# Altium PCB 大风车第三版.PcbDoc (part 1 of 2)
Units mm, origin at the board's own origin, x right, y up, seen from the top; angles counter-clockwise.
Board outline 97.08 x 92.33 mm, 4 copper layers (Top Layer, Second Layer, Third Layer, Bottom Layer 1), stack 0.603 mm thick; 147 components, 109 nets, 497 pads, 844 vias.
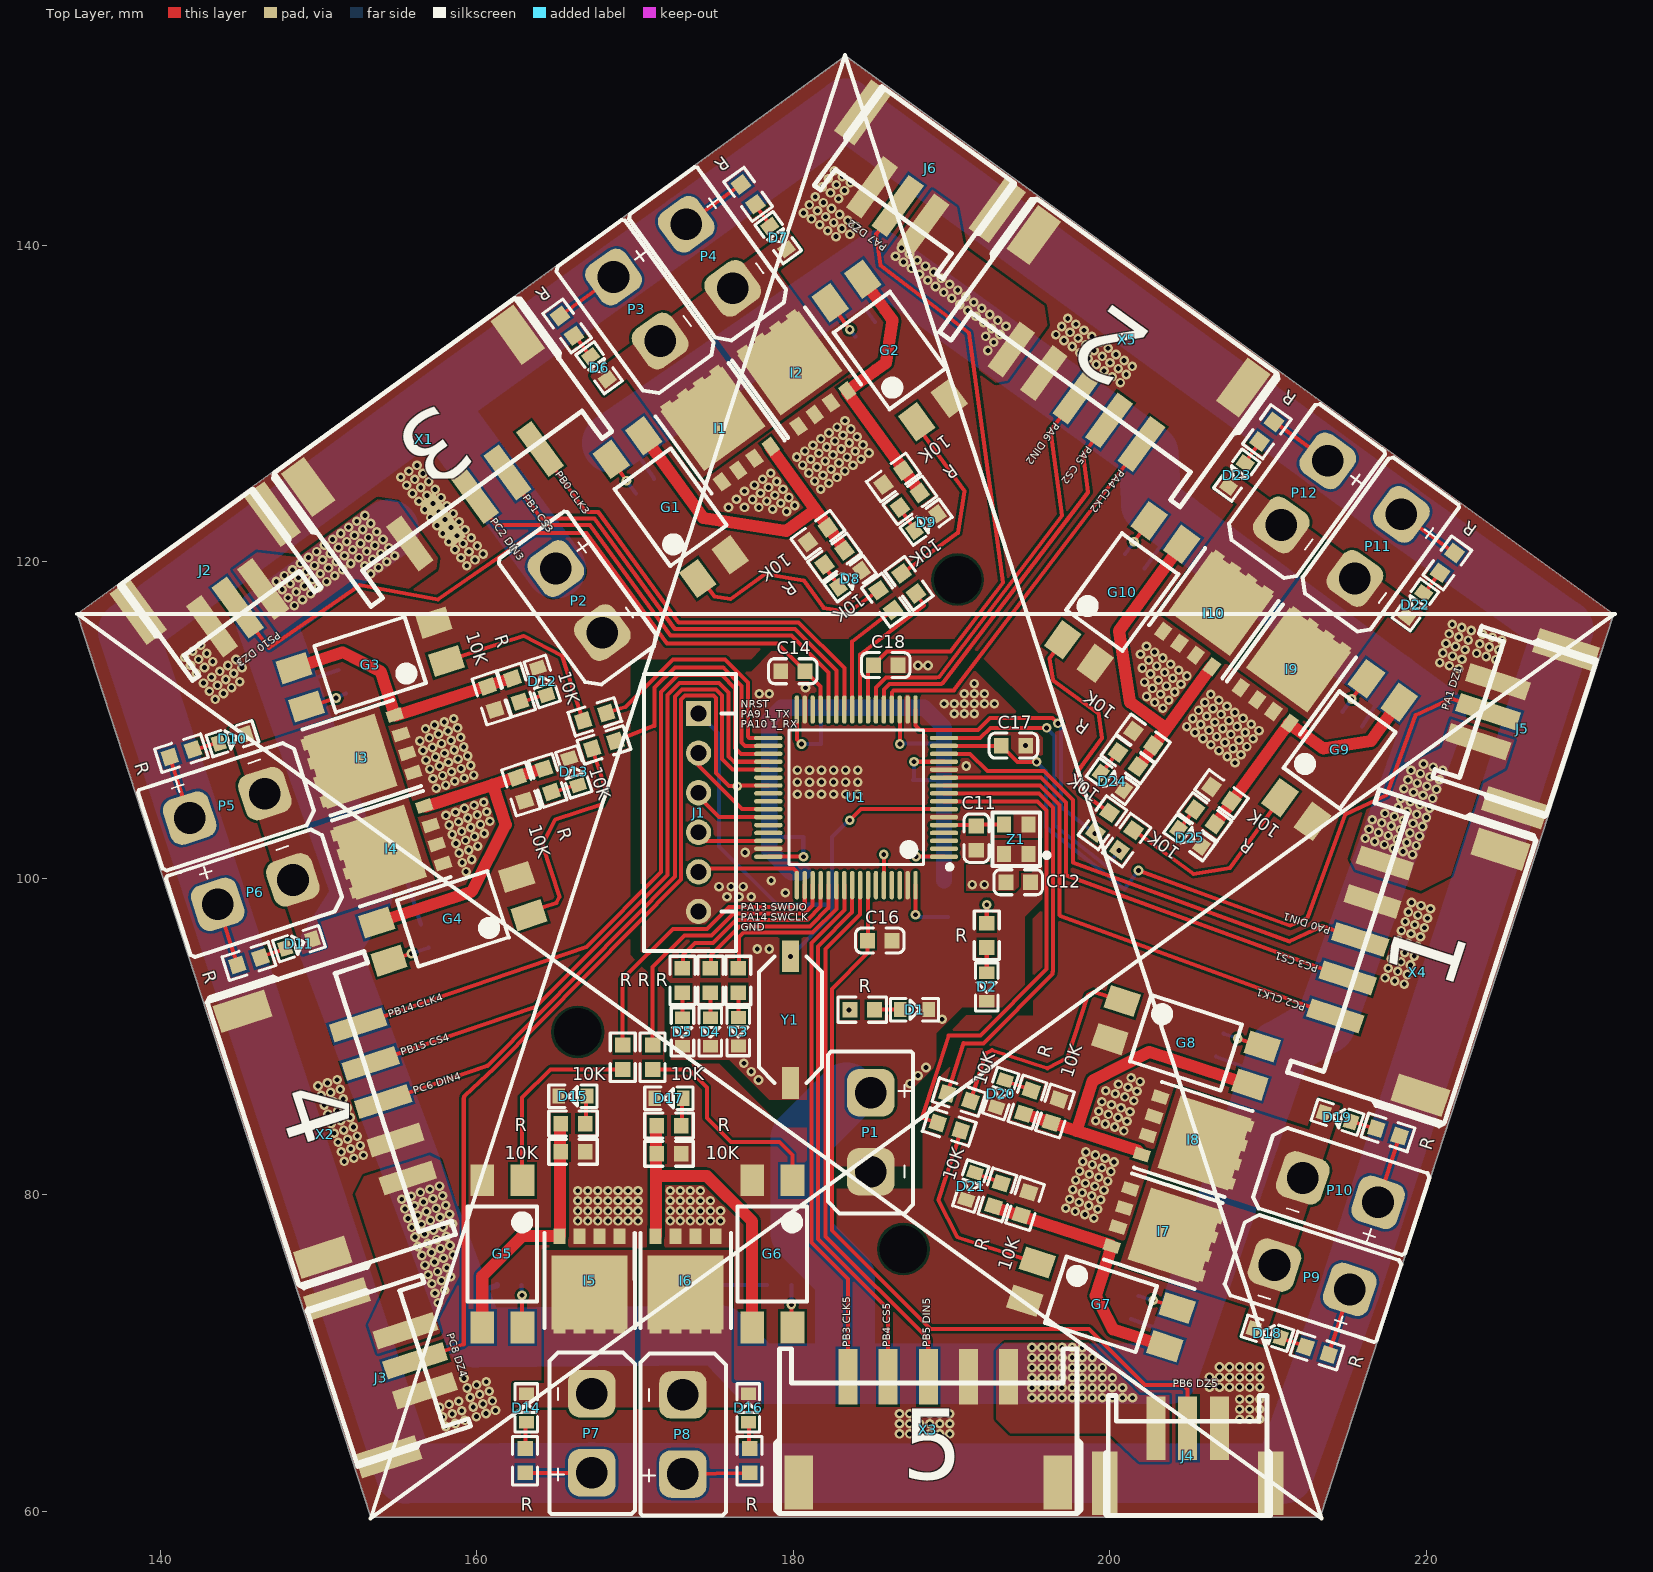
[diagram p0: Top Layer view]
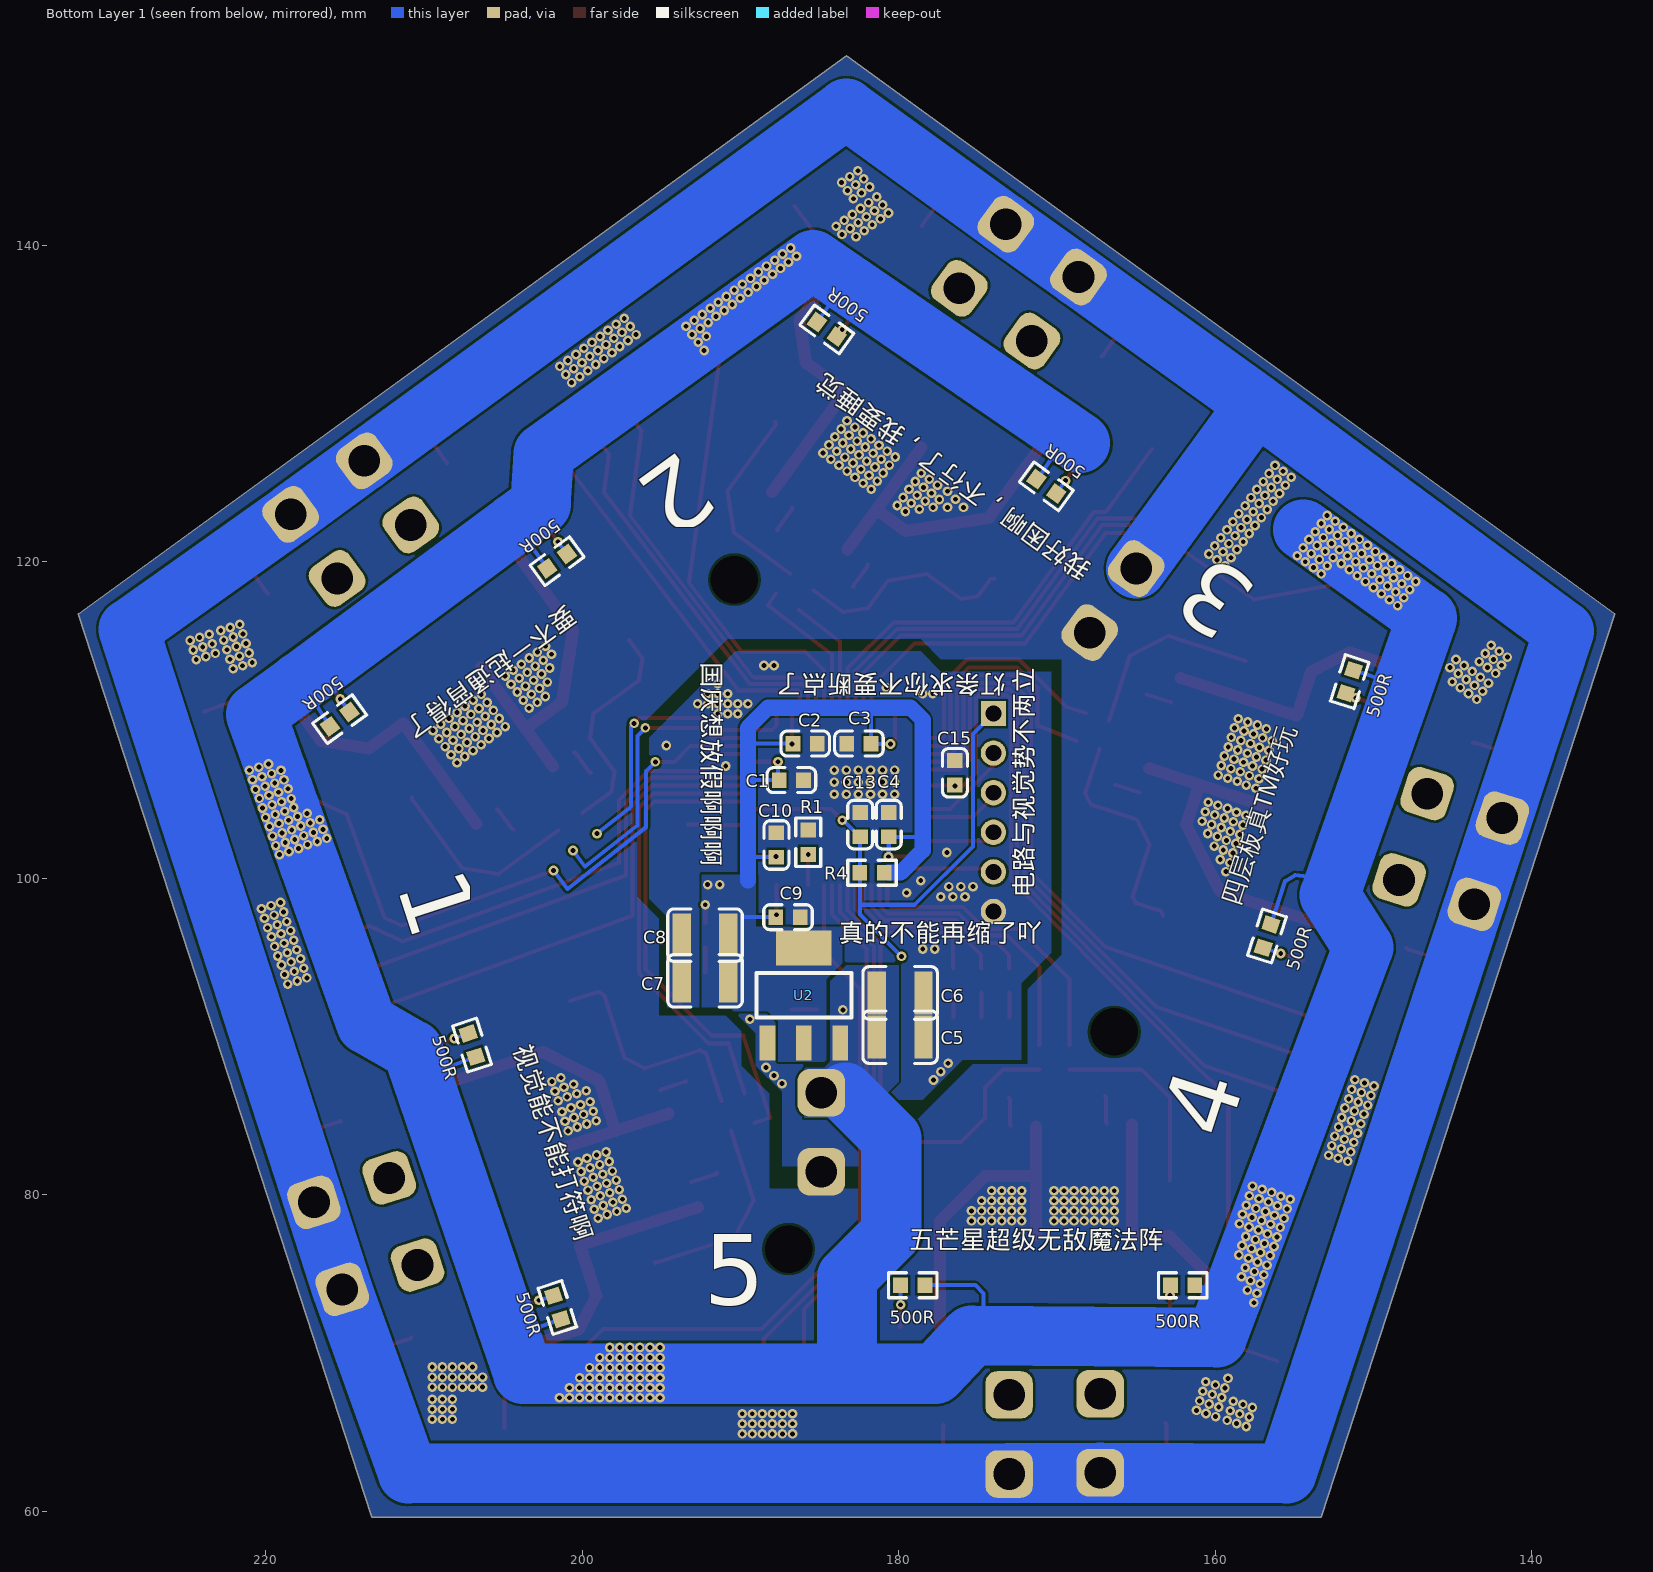
[diagram p1: Bottom Layer 1 view, seen from below]
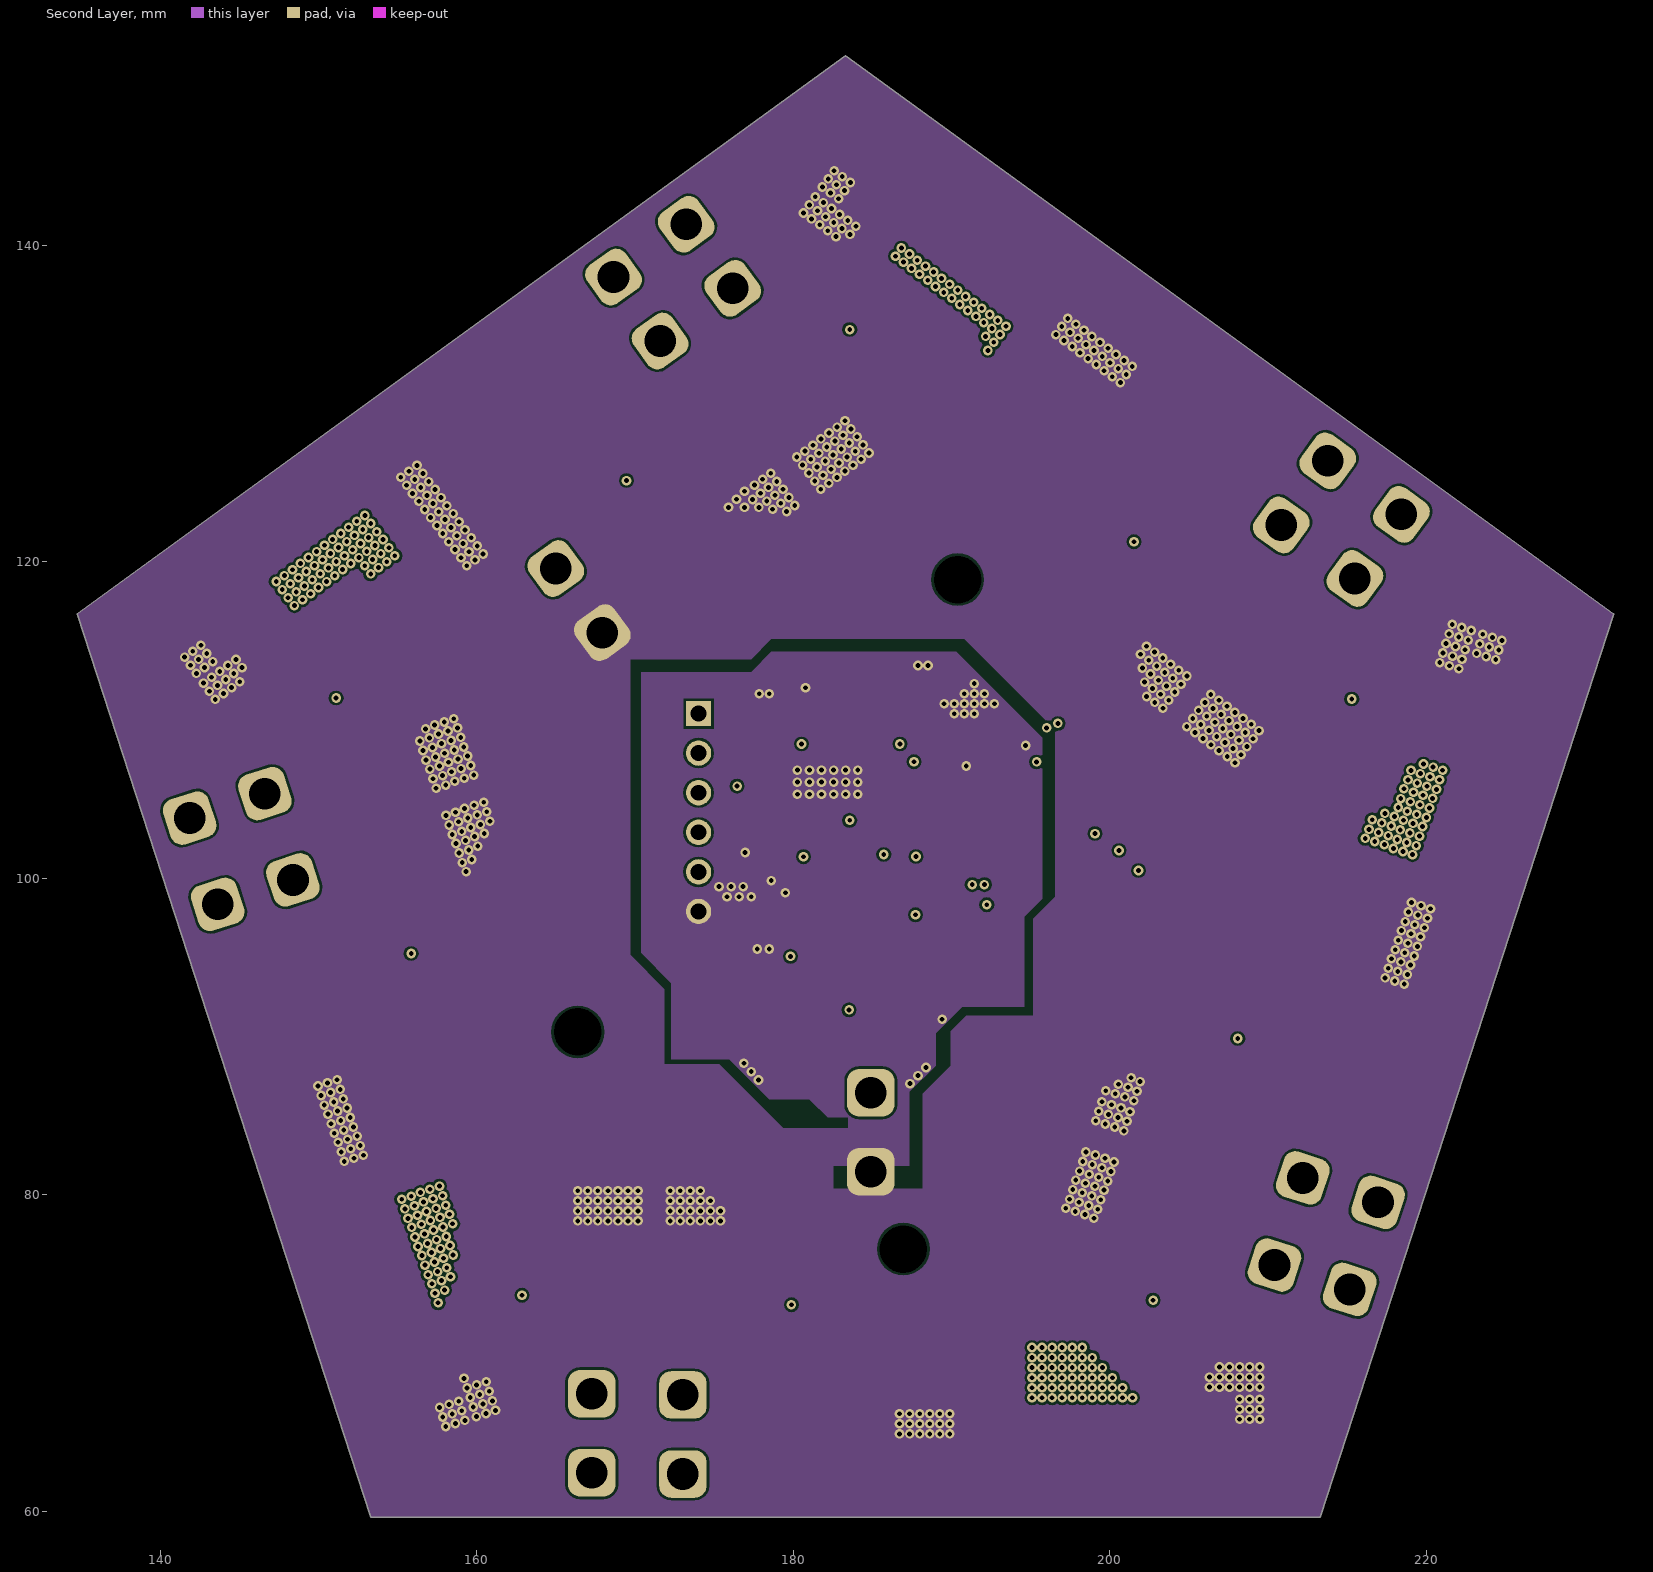
[diagram p2: Second Layer]
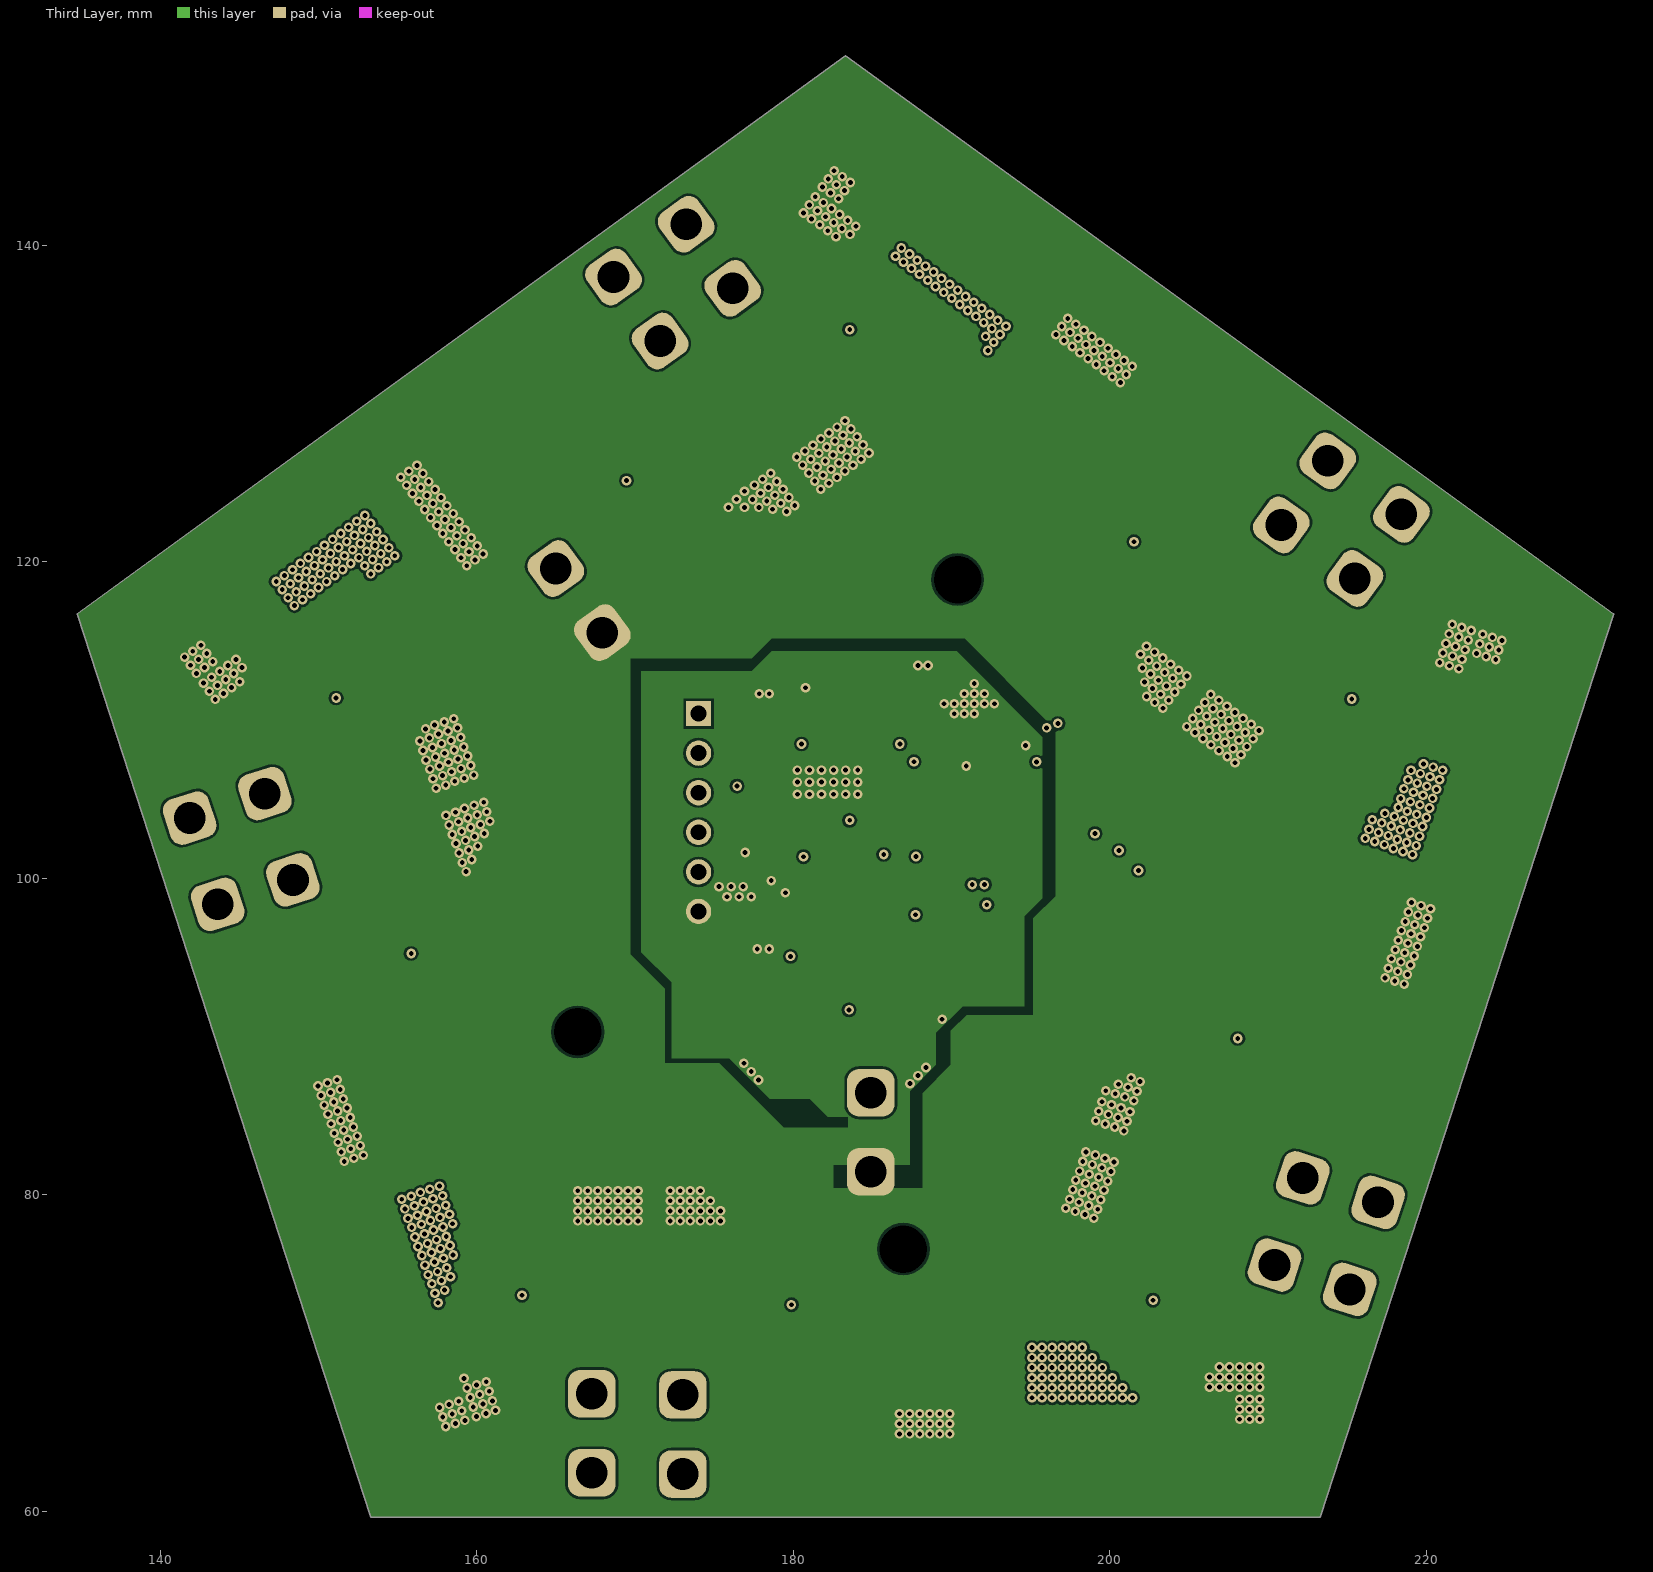
[diagram p3: Third Layer]
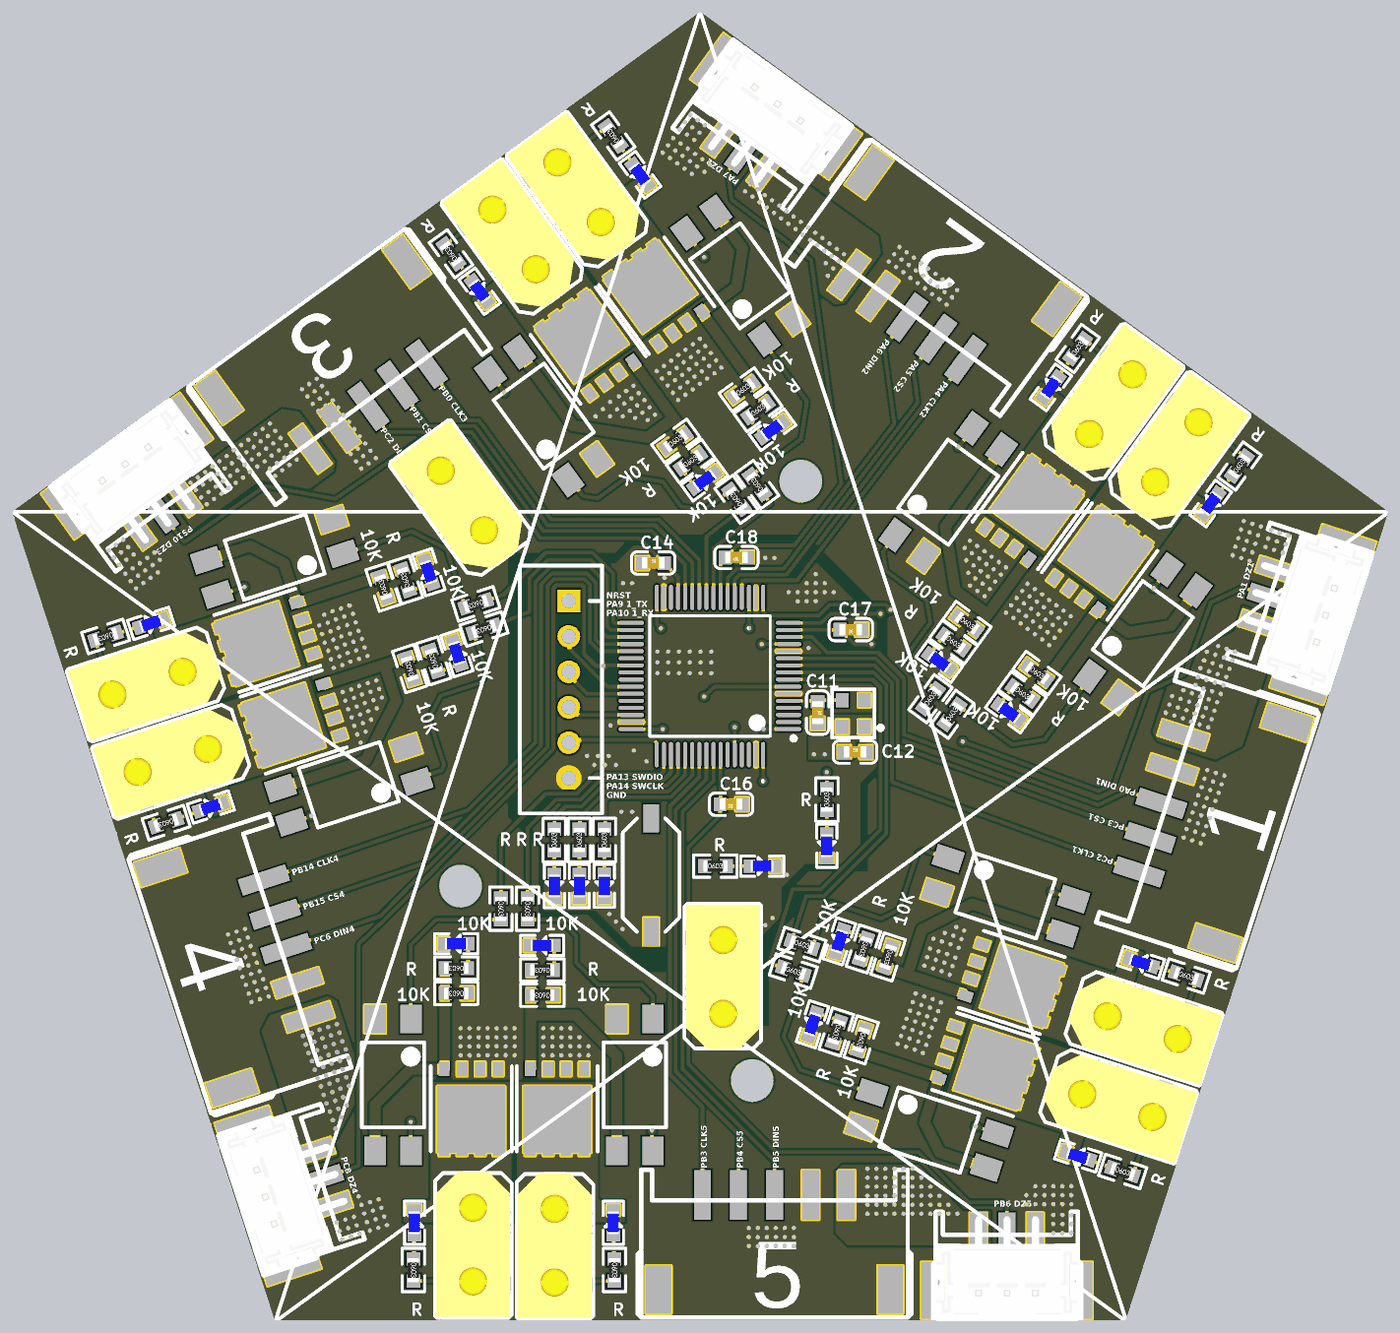
[diagram p5: 3D render of the assembled board from above, using the file's embedded part models]